# Altium PCB ADC_HUB.PcbDoc (part 2 of 3)
Units mm, origin at the board's own origin, x right, y up, seen from the top; angles counter-clockwise.
Board outline 280 x 83 mm, 4 copper layers (Component Side, Ground Plane, Power Plane, Solder Side), stack 0.844 mm thick; 324 components, 150 nets, 1066 pads, 404 vias.
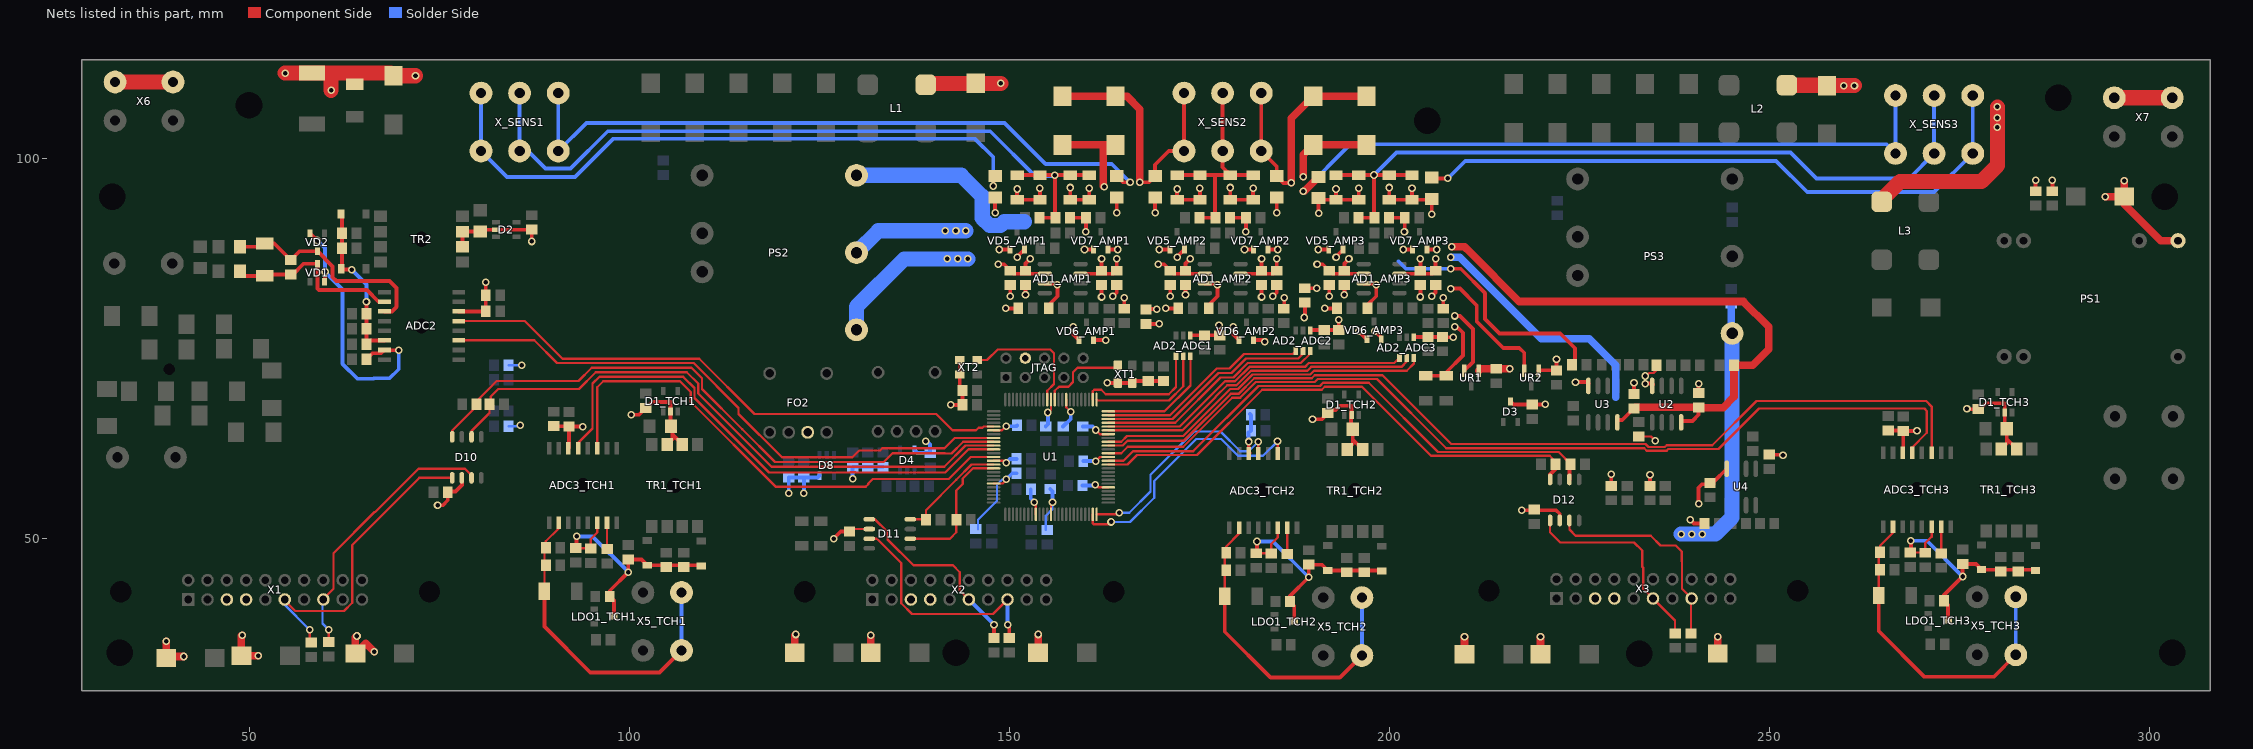
[diagram p4: the nets of this part, all layers, seen from the top]

## Part data
AD1_AMP1 AD1_AMP2 AD1_AMP3: library part AD628
AD2_ADC1 AD2_ADC2 AD2_ADC3: "ADS7886 ADC"
ADC2 ADC3_TCH1 ADC3_TCH2 ADC3_TCH3: library part AMC1304, "Isolated ADC", =AMC1304M25
C1 C2 C19 C21 C31 C47 C48 C49 C50 C51 C52 C53 C55 C56 C57 C58 C59 C61 C62 C63 C64 C65 C108 C109 C110 C112 C113 C114: library part C
C3_TCH1 C3_TCH2 C3_TCH3 C4_TCH1 C4_TCH2 C4_TCH3 C5_TCH1 C5_TCH2 C5_TCH3 C6_TCH1 C6_TCH2 C6_TCH3 C7_TCH1 C7_TCH2 C7_TCH3 C8_TCH1 C8_TCH2 C8_TCH3 C9_TCH1 C9_TCH2 C9_TCH3 C10_TCH1 C10_TCH2 C10_TCH3 C11 C12 C13 C14 C15 C16 C17 C18 C20_TCH1 C20_TCH2 C20_TCH3 C22 C23 C24 C25 C26 C27 C28 C30 C32_TCH1 C32_TCH2 C32_TCH3 C33_TCH1 C33_TCH2 C33_TCH3 C34_TCH1 C34_TCH2 C34_TCH3 C35 C36 C37 C38 C39 C40 C41 C42 C43 C44 C45 C66 C67 C68 C69 C70 C71 C72 C73 C74 C75 C76 C77 C78 C79_TCH1 C79_TCH2 C79_TCH3 C80 C81 C82 C83 C84 C86 C87 C88 C89_ADC1 C89_ADC2 C89_ADC3 C90_ADC1 C90_ADC2 C90_ADC3 C91 C91_AMP1 C91_AMP2 C91_AMP3 C92 C93 C93_AMP1 C93_AMP2 C93_AMP3 C94 C95_AMP1 C95_AMP2 C95_AMP3 C96_AMP1 C96_AMP2 C96_AMP3 C97_AMP1 C97_AMP2 C97_AMP3 C98_AMP1 C98_AMP2 C98_AMP3 C99 C100_AMP1 C100_AMP2 C100_AMP3 C101_AMP1 C101_AMP2 C101_AMP3 C102_AMP1 C102_AMP2 C102_AMP3 C103 C104_AMP1 C104_AMP2 C104_AMP3 C105 C106 C107: library part ChipCapacitor
D1_TCH1 D1_TCH2 D1_TCH3 D2: "Transformer Driver"
D3: "Voltage Supervisor"
D4: "Inverted Schmitt Trigger with EN"
D5: library part "SK32 SHOTTKY"
D6 D7 D9_TCH1 D9_TCH2 D9_TCH3: library part "SMB TVS BiDir"
D8: library part "SN74AHC1G14 (INV SH-TRG)"
D10 D11 D12: "IX4427NTR driver"
FO1: "Fiber Optical Transmitter"
FO2: library part 2531, Rule="Power Plane Connect Style [Style - Relief Connect    Expansion = 15.748mil    Width = 15.748mil    Gap = 15.748mil    # Entries = 4]"
JTAG: "Header, 5-Pin, Dual row", LatestRevisionDate=17-Jul-2002, LatestRevisionNote="Re-released for DXP Platform.", Publisher="Altium Limited", Rule="Power Plane Connect Style [Style - Relief Connect    Expansion = 15.748mil    Width = 15.748mil    Gap = 15.748mil    # Entries = 4]"
L1 L2 L3: library part "Wurth EMI Choke 744272251"
L4_AMP1 L4_AMP2 L4_AMP3: library part SMD_IND_LQM21
LDO1_TCH1 LDO1_TCH2 LDO1_TCH3: library part RS3007, "Voltage Regulator"
PS1: "VRB_ZP-6WR3 Single Power Supply"
PS2: library part URA_LD-20WR3, "URA_LD-20WR3 PS"
PS3: library part VRB_LD-20WR3, "VRB_LD-20WR3 Single Power Supply"
R1 R2 R3 R4 R5 R6 R7 R8 R9 R10 R11 R12 R13 R14 R15 R16 R17 R18 R19 R20 R21 R22 R23 R24 R24_AMP1 R24_AMP2 R24_AMP3 R25 R26_TCH1 R26_TCH2 R26_TCH3 R37 R37_AMP1 R37_AMP2 R37_AMP3 R38 R38_AMP1 R38_AMP2 R38_AMP3 R39 R40 R41 R42 R43 R44 R45 R49 R50 R51 R53_AMP1 R53_AMP2 R53_AMP3 R61_AMP1 R61_AMP2 R61_AMP3 R62_AMP1 R62_AMP2 R62_AMP3 R63_AMP1 R63_AMP2 R63_AMP3 R64_AMP1 R64_AMP2 R64_AMP3 R65_AMP1 R65_AMP2 R65_AMP3: library part ChipResistor
R27 R28 R29 R30 R31 R32 R33 R34 R35 R36: library part "Res MELF MMB0207", "MELF resistor MMB0207"
RD1_TCH1 RD1_TCH2 RD1_TCH3 RD2_TCH1 RD2_TCH2 RD2_TCH3 RD3 RD4: "Rectifier Diode"
TR1_TCH1 TR1_TCH2 TR1_TCH3 TR2: library part DA-2304, "Isolation Transformer"
U1: "MAX II 3.3/2.5V CPLD, 76 IOs, 570 Logic Elements, 100-Pin Plastic TQFP, Industrial Temperature, Speed Grade 5, Pb-Free", Supplier Part Number 1=544-2281-ND, Code_JEDEC=MS-026-AED, ComponentLink1Description="Manufacturer Link", ComponentLink1URL=http://www.altera.com/products/devices/cpld/max2/mx2-index.jsp, ComponentLink2Description=Handbook, ComponentLink2URL=http://www.altera.com/literature/hb/max2/max2_mii5v1.pdf, ComponentLink3Description="Packaging Specification", ComponentLink3URL=http://www.altera.com/literature/ds/dspkg.pdf, DatasheetVersion="ver1.8, Jul-2006", LatestRevisionDate=13-Apr-2006, LatestRevisionNote="IPC-7351 Footprint Added.", Note="Each set of VCCIO pins can be connected to 3.3V, 2.5V, 1.8V, or 1.5V.", PackageDescription="100-Pin Plastic Thin Quad Flat Pack (TQFP100) - Wire Bond", PackageReference=TQFP100, PackageVersion="ver15.1, May-2008", Published=18-Aug-2005, Publisher="Altium Limited", Supplier 1=Digi-Key, Supplier 2=Farnell, Supplier Part Number 2=1549471
U2 U3 U4: "Universal Voltage Monitor", Code_IPC=SOIC127P600-8, Code_JEDEC=MS-012-AA, ComponentLink1Description="Manufacturer Link", ComponentLink1URL=http://www.onsemi.com/site/products/taxonomy/0,4438,503,00.html, ComponentLink2Description=Datasheet, ComponentLink2URL=http://www.onsemi.com/pub/Collateral/MC34161-D.PDF, DatasheetVersion=Apr-2000, LatestRevisionDate=13-Apr-2006, LatestRevisionNote="IPC-7351 Footprint Added.", PackageDescription="8-Pin Small Outline Integrated Circuit 1.27 mm Pitch", PackageReference=751-05, PackageVersion=1998, Published=15-Apr-2002, Publisher="Altium Limited"
UR1 UR2: library part REF30XX, "50ppm/°C Max, 50µA in SOT23-3  CMOS VOLTAGE REFERENCE"
X1 X2 X3: library part IDC-20
X4 X8 X9 X14: library part DG142R-1P
X5_TCH1 X5_TCH2 X5_TCH3 X6 X7: library part DG142R-2P
X_SENS1 X_SENS2 X_SENS3: library part DG142R-3P
XT1 XT2: library part "GEN 0532"

## Free pads (board coordinates)
  round 0 hole 3.5 unplated: 0(32,95) 0(33,35) 0(50,107) 0(143,35) 0(205,105) 0(232.89,34.85) 0(288,108) 0(302,95) 0(303,35)
  round 0 hole 1.5 slot 20 at 0 deg unplated: 2(39.5,72.3)

## Via types
v1: diameter 1, hole 0.6, Component Side to Solder Side, tented both sides, 404 vias

## Nets (pads, with @x,y where several pads share a name; then routed paths per layer and width w, separated by ;. In a path a pad name is that pad's centre, name@x,y a point inside that pad or via, vN(x,y) a via of type N, cw(c..) or ccw(c..) an arc to the next point about the centre after c; other vN are vias at no path point)
3V3: ADC2.14 ADC3_TCH1.14 ADC3_TCH2.14 ADC3_TCH3.14 C3_TCH1.2 C3_TCH2.2 C3_TCH3.2 C9_TCH1.2 C9_TCH2.2 C9_TCH3.2 C11.1 C12.2 C13.1 C14.2 C15.1 C16.2 C17.2 C18.1 C19.1 C22.1 C23.1 C24.2 C25.2 C26.2 C27.1 C28.1 C30.1 C33_TCH1.2 C33_TCH2.2 C33_TCH3.2 C34_TCH1.2 C34_TCH2.2 C34_TCH3.2 C35.2 C39.2 C43.2 C44.2 C77.1 C78.1 C80.1 C81.1 C83.1 C84.1 C88.1 C92.1 D1_TCH1.2 D1_TCH2.2 D1_TCH3.2 D2.2 D3.3 D4.5 D8.5 FO2.3 JTAG.4 PS1.14 R3.2 R4.2 R7.2 R8.2 R9.2 R10.2 R11.2 R12.1 R45.1 TR1_TCH1.2 TR1_TCH1.3 TR1_TCH2.2 TR1_TCH2.3 TR1_TCH3.2 TR1_TCH3.3 TR2.2 TR2.3 U1.9 U1.13 U1.31 U1.39 U1.45 U1.59 U1.63 U1.80 U1.88 U1.94 UR1.1 UR2.1 XT1.1 XT1.4 XT2.1 XT2.4 | length 203
  Component Side w0.3: U1.45@147.95,57.25 149.15,57.25 149.6,57.7 v1(149.6,57.8) ; U1.39@147.95,60.25 149.25,60.25 149.5,60 v1(149.6,60) ; U1.31@147.95,64.25 149.05,64.25 v1(149.6,64.8) ; v1(153.3,54.8) 153.4,54.8 153.5,54.7 U1.59@153.5,53.2 ; v1(155.1,66.6) 155.5,67 U1.13@155.5,68.3 ; U1.63@155.5,53.2 155.5,54.6 v1(155.7,54.8) ; U1.9@157.5,68.3 157.5,67.3 v1(158.1,66.7) ; v1(161.3,57.1) 161.4,57.1 161.75,56.75 U1.80@163.05,56.75 ; v1(161.4,60.2) 161.5,60.3 161.95,60.75 U1.88@163.05,60.75 ; v1(161.4,64.3) 161.95,63.75 U1.94@163.05,63.75 ; R45.1@232.8,63.45 234.45,63.45 v1(235,62.9)
  Component Side w0.5: ADC2.14@77.575,79.9 C44.2@81.15,79.9 C43.2@81.15,82 v1(81.15,83.75) ; TR2.2@78.1,88.4 TR2.3@78.1,90.4 C39.2@80.4,90.4 80.65,90.65 D2.2@82.5,90.65 C35.2@87.2,90.65 v1(87.2,89.1) ; C33_TCH1.2@90.1,64.8 92.05,64.8 C34_TCH1.2@92.1,64.75 ; ADC3_TCH1.14@92.015,61.875 92.1,61.96 C34_TCH1.2@92.1,64.75 ; v1(93.9,64.75) C34_TCH1.2@92.1,64.75 ; v1(100.3,66.3) 101.3,66.3 C3_TCH1.2@102.2,67.2 103,68 105.45,68 D1_TCH1.2@105.45,66.75 105.45,65.3 105.7,65.05 105.7,63.7 ; TR1_TCH1.3@105,62.4 105.7,63.1 105.7,63.7 ; TR1_TCH1.2@107,62.4 105.7,63.7 ; v1(142.3,67.6) C83.1@143.85,67.6 C27.1@143.85,69.5 143.5,69.85 XT2.1@143.5,71.6 XT2.4@143.5,73.5 ; v1(162.9,70.5) XT1.4@164.3,70.5 XT1.1@166.2,70.5 166.45,70.75 C28.1@170.3,70.75 ; v1(181.5,62.78) 181.515,62.765 ADC3_TCH2.14@181.515,61.205 ADC3_TCH2.14@181.6,61.29 ; v1(189.9,65.7) 191.07,65.7 C3_TCH2.2@191.9,66.53 ; C3_TCH2.2@191.7,66.93 192.93,66.93 193.5,67.5 195.05,67.5 D1_TCH2.2@195.05,66.28 ; TR1_TCH2.3@194.5,61.73 195.2,62.43 195.2,63.03 ; D1_TCH2.2@194.95,66.48 194.95,64.63 C9_TCH2.2@195.2,64.38 195.2,63.03 ; TR1_TCH2.2@196.5,61.73 195.2,63.03 ; D3.3@215.954,68.065 216.369,67.65 C23.1@218.8,67.65 220.45,67.65 v1(220.5,67.7) ; UR2.1@219.65,72.1 219.7,72.15 C92.1@222,72.15 v1(222,73.6) ; R11.2@229.2,56.95 v1(229.2,58.5) ; R10.2@234.3,56.95 v1(234.3,58.4) ; R12.1@250,61.05 251.75,61.05 v1(251.8,61) ; C33_TCH3.2@265.625,64.225 267.575,64.225 C34_TCH3.2@267.625,64.175 ; ADC3_TCH3.14@267.54,61.3 267.625,61.385 C34_TCH3.2@267.625,64.175 ; v1(269.425,64.175) C34_TCH3.2@267.625,64.175 ; v1(276,67.1) 276.075,67.025 277.725,67.025 278.525,67.825 280.975,67.825 D1_TCH3.2@280.975,66.575 280.975,64.725 C9_TCH3.2@281.225,64.475 281.225,63.125 ; TR1_TCH3.3@280.525,61.825 281.225,62.525 281.225,63.125 ; TR1_TCH3.2@282.525,61.825 281.225,63.125 ; C22.1@285.025,95.708 v1(285.025,97.175) ; C30.1@287.236,95.708 v1(287.236,97.164) ; C19.1@296.7,94.2 C19.1@296.7,95
  Component Side w1: UR1.1@211.75,72.1 212,72.35 C88.1@214.1,72.35 v1(215.85,72.35) ; v1(294.2,95) C19.1@296.7,95 v1(296.7,97.1) ; C19.1@296.7,94.2 296.7,94 301.5,89.2 PS1.14@303.76,89.2
  Solder Side w0.3: R7.2@84.132,72.806 85.894,72.806 v1(85.9,72.8) ; R3.2@84.15,64.8 85.6,64.8 v1(85.7,64.9) ; R9.2@145.9,51.25 145.9,52.5 148.4,55 148.4,57.1 149.1,57.8 v1(149.6,57.8) ; R8.2@154.8,51.15 154.8,53 155.7,53.9 v1(155.7,54.8)
  Solder Side w0.5: v1(121,56) C78.1@121,58.05 C77.1@123,58.05 ; v1(123,56) C77.1@123,58.05 ; D8.5@125.05,58.3 124.8,58.05 C77.1@123,58.05 ; v1(129.4,57.9) C24.2@129.4,59.45 C25.2@131.4,59.45 R4.2@133.4,59.45 ; D4.5@137.55,61.7 137.958,61.292 C26.2@139.594,61.292 139.594,62.406 139.2,62.8 v1(139,62.8) ; v1(149.6,57.8) 150.4,58.6 C14.2@150.95,58.6 ; v1(149.6,60) 150.1,60.5 C12.2@150.95,60.5 ; v1(149.6,64.8) 150.95,64.8 C80.1@151.05,64.9 ; C15.1@152.85,56.5 152.85,55.25 v1(153.3,54.8) ; C81.1@154.8,64.75 155.1,65.05 v1(155.1,66.6) ; C13.1@155.4,56.55 155.7,56.25 v1(155.7,54.8) ; C18.1@157.1,64.75 158.1,65.75 v1(158.1,66.7) ; C17.2@159.65,57 161.2,57 v1(161.3,57.1) ; C11.1@159.7,64.75 160.95,64.75 v1(161.4,64.3) ; C16.2@159.75,60.2 v1(161.4,60.2) ; v1(181.5,62.78) C33_TCH2.2@181.5,63.98 ; C34_TCH2.2@181.68,66.4 C34_TCH2.2@181.78,66.3 181.83,66.25 C33_TCH2.2@181.83,64.2 C33_TCH2.2@181.78,64.15
5VSEC: ADC2.6 C36.2 C37.2 C38.2 C40.2 C41.2 RD3.1 RD4.1 | length 22.3
  Component Side w0.5: RD3.1@62.1,92.7 62.25,92.55 C38.2@62.25,90.2 C37.2@62.25,88.2 62.25,85.62 RD4.1@62.13,85.5 62.23,85.4 v1(63.5,85.4) ; v1(65.45,81.15) C36.2@65.45,79.6 C41.2@65.45,77.6 C40.2@65.45,76.09 ; ADC2.6@67.825,76.09 65.94,76.09 C40.2@65.695,75.845 ; C40.2@65.45,76.09 C40.2@65.45,75.6 C40.2@65.695,75.845 ; C40.2@65.45,76.09 C40.2@65.695,75.845
  Solder Side w0.5: v1(63.5,85.4) 65.45,83.45 v1(65.45,81.15)
5VSEC_TCH1: ADC3_TCH1.6 C4_TCH1.2 C5_TCH1.2 C6_TCH1.2 C7_TCH1.2 C10_TCH1.2 C20_TCH1.2 LDO1_TCH1.3 RD1_TCH1.1 RD2_TCH1.1 | length 34.8
  Component Side w0.3: C10_TCH1.2@93,48.75 94.937,48.75 C20_TCH1.2@94.969,48.718 94.969,49.969 95.825,50.825 ADC3_TCH1.6@95.825,52.125 ; C6_TCH1.2@99.9,46.8 C6_TCH1.2@99.9,47.25
  Component Side w0.5: C10_TCH1.2@93,48.75 93.1,48.85 v1(93.1,50.3) ; LDO1_TCH1.3@98,39.75 98,41.85 C7_TCH1.2@97.45,42.4 97.45,43.15 v1(99.9,45.6) C6_TCH1.2@99.9,46.8 ; C6_TCH1.2@99.9,47.25 101.65,47.25 RD1_TCH1.1@102.4,46.5 109.4,46.5 RD2_TCH1.1@109.5,46.4
  Solder Side w0.5: v1(93.1,50.3) 95.2,50.3 v1(99.9,45.6)
5VSEC_TCH2: ADC3_TCH2.6 C4_TCH2.2 C5_TCH2.2 C6_TCH2.2 C7_TCH2.2 C10_TCH2.2 C20_TCH2.2 LDO1_TCH2.3 RD1_TCH2.1 RD2_TCH2.1 | length 34.8
  Component Side w0.3: C10_TCH2.2@182.5,48.08 184.437,48.08 C20_TCH2.2@184.469,48.048 184.469,49.299 185.325,50.155 ADC3_TCH2.6@185.325,51.455 ; C6_TCH2.2@189.4,46.13 C6_TCH2.2@189.4,46.58
  Component Side w0.5: C10_TCH2.2@182.5,48.08 182.6,48.18 v1(182.6,49.63) ; LDO1_TCH2.3@187.5,39.08 187.5,41.18 C7_TCH2.2@186.95,41.73 186.95,42.48 v1(189.4,44.93) C6_TCH2.2@189.4,46.13 ; C6_TCH2.2@189.4,46.58 191.15,46.58 RD1_TCH2.1@191.9,45.83 198.9,45.83 RD2_TCH2.1@199,45.73
  Solder Side w0.5: v1(182.6,49.63) 184.7,49.63 v1(189.4,44.93)
5VSEC_TCH3: ADC3_TCH3.6 C4_TCH3.2 C5_TCH3.2 C6_TCH3.2 C7_TCH3.2 C10_TCH3.2 C20_TCH3.2 LDO1_TCH3.3 RD1_TCH3.1 RD2_TCH3.1 | length 34.8
  Component Side w0.3: C10_TCH3.2@268.525,48.175 270.462,48.175 C20_TCH3.2@270.494,48.143 270.494,49.394 271.35,50.25 ADC3_TCH3.6@271.35,51.55 ; C6_TCH3.2@275.425,46.225 C6_TCH3.2@275.425,46.675
  Component Side w0.5: C10_TCH3.2@268.525,48.175 268.625,48.275 v1(268.625,49.725) ; LDO1_TCH3.3@273.525,39.175 273.525,41.275 C7_TCH3.2@272.975,41.825 272.975,42.575 v1(275.425,45.025) C6_TCH3.2@275.425,46.225 ; C6_TCH3.2@275.425,46.675 277.175,46.675 RD1_TCH3.1@277.925,45.925 284.925,45.925 RD2_TCH3.1@285.025,45.825
  Solder Side w0.5: v1(268.625,49.725) 270.725,49.725 v1(275.425,45.025)
20MHz: U1.12 XT1.3 | length 11.6
  Component Side w0.3: U1.12@156,68.3 156,69.45 156.55,70 157.8,70 158.4,70.6 158.4,71.9 159,72.5 164,72.5 XT1.3@164.3,72.8
20MHz_2: U1.14 XT2.3 | length 17.4
  Component Side w0.3: XT2.3@145.8,73.5 147.1,73.5 148.5,74.9 155.4,74.9 155.9,74.4 155.9,70.35 155,69.45 U1.14@155,68.3
24V: C1.1 C2.1 C31.1 D5.K D6.2 L1.1 L2.1 L3.1 X6.1 X7.2 | length 78.7
  Component Side w2: X6.1@32.38,110.08 X6.1@40,110.08 ; v1(54.75,111.25) D5.K@58.3,111.25 60.8,111.25 ; v1(60.8,109) 60.8,111.25 ; v1(71.9,110.9) C31.1@69,110.9 68.65,111.25 60.8,111.25 ; L1.1@139.02,109.72 139.2,109.9 C1.1@145.6,109.9 v1(148.9,109.9) ; L2.1@252.316,109.64 257.56,109.64 C2.1@257.6,109.6 v1(261.2,109.6) ; L3.1@264.78,94.32 264.78,94.58 267.2,97 277.9,97 280,99.1 v1(280,104.1) v1(280,105.4) v1(280,106.8) ; X7.2@295.38,108 X7.2@303,108
  other v1: 259.8,109.6
+15VDR: C57.1 C58.1 C59.1 C68.2 C82.1 C86.1 C87.1 C108.1 C109.1 C110.1 C112.1 C113.1 C114.1 D10.6 D11.6 D12.6 PS3.4 R18.2 R49.1 U4.8 X1.5 X1.7 X2.5 X2.7 X3.5 X3.7 | length 90.8
  Component Side w0.3: C86.1@129,50.95 129.32,51.27 D11.6@131.6,51.27
  Component Side w0.5: v1(74.8,54.4) 75.5,54.4 76.15,55.05 C82.1@76.15,56.1 ; C82.1@76.7,56.2 77.15,56.2 78,57.05 D10.6@78,58 ; v1(126.9,50) 127.85,50.95 C86.1@129,50.95 ; v1(217.45,53.75) 221.95,53.75 222.43,53.27 D12.6@222.43,52.4 ; v1(239.6,52.5) 240.1,52 R49.1@241.45,52 ; v1(240.7,54.6) 240.7,56.7 241.15,57.15 242.7,57.15 242.7,57.505 U4.8@244.395,59.2
  Component Side w1: v1(39.1,36.5) C114.1@39.1,34.3 39.3,34.5 v1(41.4,34.5) ; v1(49.1,37.3) 49,37.2 C112.1@49,34.6 v1(51.2,34.6) ; v1(64.2,37.2) 64,37 C113.1@64,34.9 65.35,36.25 v1(66.5,35.1) ; C108.1@121.8,35 121.8,37.3 v1(121.9,37.4) ; C109.1@131.8,35 v1(131.8,37.3) ; C110.1@153.8,35 v1(153.8,37.4) ; C57.1@209.9,34.8 v1(209.9,37.1) ; C58.1@219.9,34.8 v1(219.9,37.1) ; C59.1@243.2,34.9 v1(243.2,37.1)
  Solder Side w1: R18.2@245,80.95 245,77.1 PS3.4@245.1,77
  Solder Side w2: v1(238.4,50.6) v1(239.8,50.6) v1(241.2,50.6) 242.9,50.6 245.1,52.8 PS3.4@245.1,77
+Vinp: ADC2.2 C45.1 D7.2 R15.2 VD1.3 | length 24
  Component Side w0.5: R15.2@48.8,85.2 49.435,84.565 D7.2@52.1,84.565 52.285,84.75 C45.1@55.5,84.75 55.5,84.775 55.775,84.775 57.175,86.175 VD1.3@59,86.175 59,82.9 59.2,82.7 65.5,82.7 67.03,81.17 ADC2.2@67.825,81.17
+Vinp_TCH1: ADC3_TCH1.2 C79_TCH1.2 D9_TCH1.2 R26_TCH1.1 X5_TCH1.2 | length 43.8
  Component Side w0.3: D9_TCH1.2@88.865,43.1 88.865,48.615 C79_TCH1.2@89.05,48.8 89.05,49.65 90.745,51.345 ADC3_TCH1.2@90.745,52.125
  Component Side w0.5: D9_TCH1.2@88.865,43.1 88.865,38.435 94.9,32.4 104,32.4 X5_TCH1.2@106.9,35.3
  Solder Side w0.5: X5_TCH1.2@106.9,35.3 X5_TCH1.2@106.9,42.92
+Vinp_TCH2: ADC3_TCH2.2 C79_TCH2.2 D9_TCH2.2 R26_TCH2.1 X5_TCH2.2 | length 43.8
  Component Side w0.3: D9_TCH2.2@178.365,42.43 178.365,47.945 C79_TCH2.2@178.55,48.13 178.55,48.98 180.245,50.675 ADC3_TCH2.2@180.245,51.455
  Component Side w0.5: D9_TCH2.2@178.365,42.43 178.365,37.765 184.4,31.73 193.5,31.73 X5_TCH2.2@196.4,34.63
  Solder Side w0.5: X5_TCH2.2@196.4,34.63 X5_TCH2.2@196.4,42.25
+Vinp_TCH3: ADC3_TCH3.2 C79_TCH3.2 D9_TCH3.2 R26_TCH3.1 X5_TCH3.2 | length 43.8
  Component Side w0.3: D9_TCH3.2@264.39,42.525 264.39,48.04 C79_TCH3.2@264.575,48.225 264.575,49.075 266.27,50.77 ADC3_TCH3.2@266.27,51.55
  Component Side w0.5: D9_TCH3.2@264.39,42.525 264.39,37.86 270.425,31.825 279.525,31.825 X5_TCH3.2@282.425,34.725
  Solder Side w0.5: X5_TCH3.2@282.425,34.725 X5_TCH3.2@282.425,42.345
+VS: AD1_AMP1.7 AD1_AMP2.7 AD1_AMP3.7 C47.1 C48.1 C66.2 C67.2 C91_AMP1.2 C91_AMP2.2 C91_AMP3.2 C95_AMP1.2 C95_AMP2.2 C95_AMP3.2 C97_AMP1.2 C97_AMP2.2 C97_AMP3.2 PS2.3 R39.1 U2.8 U3.8 VD5_AMP1.2 VD5_AMP2.2 VD5_AMP3.2 VD7_AMP1.2 VD7_AMP2.2 VD7_AMP3.2 X_SENS1.1 X_SENS2.1 X_SENS3.1 | length 338.3
  Component Side w0.5: v1(151.05,87) 151.05,87.097 VD5_AMP1.2@151.994,88.041 ; AD1_AMP1.7@159.394,84.851 163.751,84.851 C97_AMP1.2@164.15,85.25 v1(164.15,86.8) ; C95_AMP1.2@162.15,85.25 v1(162.15,86.8) ; VD7_AMP1.2@162.994,88.041 v1(164.291,88.041) ; C91_AMP1.2@164.15,97.7 164.95,96.9 v1(165.899,96.9) ; v1(172.1,87) 172.1,87.097 VD5_AMP2.2@173.044,88.041 ; AD1_AMP2.7@180.444,84.851 184.801,84.851 C97_AMP2.2@185.2,85.25 v1(185.2,86.8) ; X_SENS2.1@183.16,108.62 X_SENS2.1@183.16,101 185.2,98.96 C91_AMP2.2@185.2,97.7 186.1,96.8 v1(187.1,96.8) ; C95_AMP2.2@183.2,85.25 v1(183.2,86.8) ; VD7_AMP2.2@184.044,88.041 v1(185.341,88.041) ; v1(193,87) 193,87.097 VD5_AMP3.2@193.944,88.041 ; AD1_AMP3.7@201.344,84.851 205.701,84.851 C97_AMP3.2@206.1,85.25 v1(206.1,86.8) ; C95_AMP3.2@204.1,85.25 v1(204.1,86.8) ; VD7_AMP3.2@204.944,88.041 v1(206.241,88.041) ; C91_AMP3.2@205.6,97.5 205.7,97.4 v1(207.7,97.4) ; U3.8@230.005,65.6 230.65,65.6 C66.2@232.2,67.15 ; U2.8@238.555,65.55 238.505,65.5 239.9,65.5 240.7,66.3 C67.2@240.7,67.25
  Component Side w1: v1(187.1,96.8) 187.1,105.3 C48.1@190,108.2 C47.1@197,108.2 ; v1(208.2,88.4) 209.9,88.4 210.7,87.6 217.1,81.2 246.6,81.2 249.9,77.9 249.9,74.9 247.8,72.8 R39.1@245.35,72.8 245.35,68.65 243.95,67.25 C67.2@240.7,67.25 240.7,67.3 232.35,67.3 C66.2@232.2,67.15
  Solder Side w0.5: X_SENS1.1@90.68,108.62 X_SENS1.1@90.68,101 94.38,104.7 149.4,104.7 154.8,99.3 163.5,99.3 164.2,98.6 v1(165.899,96.9) ; v1(207.7,97.4) 210,99.7 250.9,99.7 255,95.6 271.68,95.6 X_SENS3.1@276.76,100.68 X_SENS3.1@276.76,108.3
  Solder Side w2: PS2.3@129.92,77.48 129.92,80.52 136.2,86.8 v1@144.6,86.8
  other v1: 141.85,86.8 143.25,86.8 144.55,86.8
-Vinp: ADC2.3 C45.2 D7.1 R17.2 VD2.3 | length 29.3
  Component Side w0.5: R17.2@48.8,88.4 51.665,88.4 D7.1@52.1,88.835 53.315,88.835 C45.2@55.5,86.65 56.675,87.825 VD2.3@59,87.825 61,85.825 61,84.4 61.5,83.9 68.5,83.9 69.4,83 69.4,80.5 68.8,79.9 ADC2.3@67.825,79.9
-VS: AD1_AMP1.2 AD1_AMP2.2 AD1_AMP3.2 C55.2 C56.2 C93_AMP1.1 C93_AMP2.1 C93_AMP3.1 C96_AMP1.1 C96_AMP2.1 C96_AMP3.1 C98_AMP1.1 C98_AMP2.1 C98_AMP3.1 PS2.5 R44.2 VD5_AMP1.1 VD5_AMP2.1 VD5_AMP3.1 VD7_AMP1.1 VD7_AMP2.1 VD7_AMP3.1 X_SENS1.3 X_SENS2.3 X_SENS3.3 | length 304.5
  Component Side w0.5: v1(147.9,96.4) 147.9,97.45 C93_AMP1.1@148.15,97.7 ; v1(148.55,86.1) 149.3,86.1 C98_AMP1.1@150.15,85.25 150.549,84.851 AD1_AMP1.2@154.694,84.851 ; v1(148.709,88.041) VD5_AMP1.1@150.094,88.041 ; C96_AMP1.1@152.15,85.25 152.15,86.2 v1(152.75,86.8) ; v1(159.909,88.041) VD7_AMP1.1@161.094,88.041 ; v1(167.2,96.9) 168.4,96.9 C93_AMP2.1@169.2,97.7 169.2,99.2 171,101 X_SENS2.3@173,101 X_SENS2.3@173,108.62 ; v1(169.6,86.1) 170.35,86.1 C98_AMP2.1@171.2,85.25 171.599,84.851 AD1_AMP2.2@175.744,84.851 ; v1(169.759,88.041) VD5_AMP2.1@171.144,88.041 ; C96_AMP2.1@173.2,85.25 173.2,86.2 v1(173.8,86.8) ; v1(180.959,88.041) VD7_AMP2.1@182.144,88.041 ; v1(190.5,86.1) 191.25,86.1 C98_AMP3.1@192.1,85.25 192.499,84.851 AD1_AMP3.2@196.644,84.851 ; v1(190.659,88.041) VD5_AMP3.1@192.044,88.041 ; C96_AMP3.1@194.1,85.25 194.1,86.2 v1(194.7,86.8) ; v1(201.859,88.041) VD7_AMP3.1@203.044,88.041 ; v1(208.1,85.5) 209.4,85.5 212.6,82.3 212.6,78.9 214.5,77 222.5,77 224.45,75.05 R44.2@224.45,72.9
  Component Side w1: C56.2@157,108.2 C55.2@164,108.2 165.5,108.2 167.2,106.5 v1(167.2,96.9) ; v1(188.7,95.7) 188.8,95.7 C93_AMP3.1@190.7,97.6
  Solder Side w0.5: X_SENS1.3@80.52,108.62 X_SENS1.3@80.52,101 83.92,97.6 92.9,97.6 97.9,102.6 145.5,102.6 147.9,100.2 v1(147.9,96.4) ; v1(188.7,95.7) 194.9,101.9 265.38,101.9 X_SENS3.3@266.6,100.68 X_SENS3.3@266.6,108.3 ; 201.2,86.5 202.2,85.5 v1(208.1,85.5)
  Solder Side w2: PS2.5@129.92,97.8 143.7,97.8 146.45,95.05 146.45,92.196 147.446,91.2 148.854,91.2 149.354,91.7 152,91.7
ADC_CLOCK1: AD2_ADC1.4 U1.2 | length 16.8
  Component Side w0.3: U1.2@161,68.3 161,69.4 161.2,69.6 162.1,69.6 162.7,69 171,69 171.95,69.95 AD2_ADC1.4@171.95,74
ADC_CLOCK2: AD2_ADC2.4 U1.99 | length 28.2
  Component Side w0.3: U1.99@163.05,66.25 171.15,66.25 177.3,72.4 179,72.4 180.9,74.3 187.3,74.3 AD2_ADC2.4@187.7,74.7
ADC_CLOCK3: AD2_ADC3.4 U1.96 | length 42
  Component Side w0.3: U1.96@163.05,64.75 172.45,64.75 178.4,70.7 179.704,70.7 181.604,72.6 188.9,72.6 189.4,73.1 200.65,73.1 AD2_ADC3.4@201.35,73.8
ADC_DATA1: AD2_ADC1.5 U1.1 | length 16.2
  Component Side w0.3: U1.1@161.5,68.3 161.624,68.176 171.024,68.176 172.9,70.051 AD2_ADC1.5@172.9,74
ADC_DATA1_ADC2: AD2_ADC2.5 U1.98 | length 29.5
  Component Side w0.3: U1.98@163.05,65.75 171.499,65.75 177.549,71.8 179.249,71.8 181.149,73.7 188.02,73.7 188.65,74.33 AD2_ADC2.5@188.65,74.7
ADC_DATA1_ADC3: AD2_ADC3.5 U1.95 | length 43.5
  Component Side w0.3: U1.95@163.05,64.25 172.799,64.25 177.15,68.601 177.15,68.673 178.677,70.2 179.911,70.2 181.811,72.1 189.249,72.1 189.749,72.6 201.6,72.6 202.3,73.3 AD2_ADC3.5@202.3,73.8
ADC_NCS1: AD2_ADC1.6 U1.100 | length 16.1
  Component Side w0.3: U1.100@163.05,66.75 170.447,66.75 173.85,70.153 AD2_ADC1.6@173.85,74
ADC_NCS2: AD2_ADC2.6 U1.97 | length 30.7
  Component Side w0.3: U1.97@163.05,65.25 171.847,65.25 177.797,71.2 179.497,71.2 181.397,73.1 188.37,73.1 189.6,74.33 AD2_ADC2.6@189.6,74.7
ADC_NCS3: AD2_ADC3.6 U1.92 | length 45.2
  Component Side w0.3: U1.92@163.05,62.75 164.25,62.75 164.75,62.75 165.5,63.5 172.897,63.5 179.097,69.7 180.118,69.7 182.018,71.6 189.597,71.6 190.097,72.1 202.3,72.1 203.25,73.05 AD2_ADC3.6@203.25,73.8
ADCREF: AD1_AMP1.3 AD1_AMP2.3 AD1_AMP3.3 C93.1 R38_AMP1.2 R38_AMP2.2 R38_AMP3.2 UR2.2 | length 34.2
  Component Side w0.5: AD1_AMP1.3@154.694,83.581 156.169,83.581 v1(156.35,83.4) 156.35,81.9 155.2,80.75 R38_AMP1.2@155.2,80.3 ; AD1_AMP2.3@175.744,83.581 177.219,83.581 v1(177.4,83.4) 177.4,81.9 176.25,80.75 R38_AMP2.2@176.25,80.3 ; C93.1@188.9,82.95 v1(190.45,82.95) ; AD1_AMP3.3@196.644,83.581 198.119,83.581 v1(198.3,83.4) 198.3,81.9 197.15,80.75 R38_AMP3.2@197.15,80.3 ; v1(208.1,82.9) 209.3,82.9 211.5,80.7 211.5,78.6 215,75.1 217.1,75.1 217.75,74.45 UR2.2@217.75,72.1
AGND: C47.2 C48.2 C55.1 C56.1 C66.1 C67.1 C91.2 C91_AMP1.1 C91_AMP2.1 C91_AMP3.1 C93.2 C93_AMP1.2 C93_AMP2.2 C93_AMP3.2 C95_AMP1.1 C95_AMP2.1 C95_AMP3.1 C96_AMP1.2 C96_AMP2.2 C96_AMP3.2 C97_AMP1.1 C97_AMP2.1 C97_AMP3.1 C98_AMP1.2 C98_AMP2.2 C98_AMP3.2 C101_AMP1.1 C101_AMP2.1 C101_AMP3.1 C102_AMP1.1 C102_AMP2.1 C102_AMP3.1 C104_AMP1.1 C104_AMP2.1 C104_AMP3.1 PS2.4 R1.2 R5.2 R37_AMP1.2 R37_AMP2.2 R37_AMP3.2 R41.2 R53_AMP1.2 R53_AMP2.2 R53_AMP3.2 R61_AMP1.2 R61_AMP2.2 R61_AMP3.2 R62_AMP1.2 R62_AMP2.2 R62_AMP3.2 R63_AMP1.2 R63_AMP2.2 R63_AMP3.2 U2.4 U3.4 VD6_AMP1.1 VD6_AMP2.1 VD6_AMP3.1 | length 195.4
  Component Side w0.3: v1(233.7,71.4) 233.6,71.5 233.9,71.5 234.2,71.8 234.75,71.8 235.15,72.2 R41.2@235.15,72.8
  Component Side w0.5: C93_AMP1.2@147.841,94.591 C93_AMP1.2@148.15,94.9 v1(148.15,92.9) ; v1(149.55,80.3) C104_AMP1.1@151.2,80.3 ; v1(150.15,81.9) C98_AMP1.2@150.15,83.35 ; v1(151.044,96.006) R53_AMP1.2@151.044,94.591 R61_AMP1.2@154.044,94.591 v1(154.044,96.094) ; v1(152.15,82.1) C96_AMP1.2@152.15,83.35 ; C101_AMP1.1@157.994,92.216 R37_AMP1.2@160.094,92.216 160.094,90.444 v1(160.05,90.4) ; v1(158.044,96.194) R62_AMP1.2@158.044,94.591 R63_AMP1.2@160.544,94.591 ; v1(158.45,77.9) 158.45,76.875 VD6_AMP1.1@159.2,76.125 ; v1(160.544,96.094) R63_AMP1.2@160.544,94.591 ; R63_AMP1.2@161.044,94.591 R63_AMP1.2@160.544,94.591 ; v1(162.15,81.8) C95_AMP1.1@162.15,83.35 ; v1@162.4,96.4 v1(162.5,96.3) ; 162.4,101.5 162.7,101.8 ; v1(163.65,81.9) 164.15,82.4 C97_AMP1.1@164.15,83.35 ; v1(164.15,92.9) C91_AMP1.1@164.15,94.9 C91_AMP1.1@164.459,94.591 ; C102_AMP1.1@165.15,80.25 v1(165.15,81.7) ; C91.2@168,78.25 v1(169.75,78.25) ; C93_AMP2.2@168.891,94.591 C93_AMP2.2@169.2,94.9 v1(169.2,92.9) ; v1(170.6,80.3) C104_AMP2.1@172.25,80.3 ; v1(171.2,81.9) C98_AMP2.2@171.2,83.35 ; v1(172.094,96.006) R53_AMP2.2@172.094,94.591 R61_AMP2.2@175.094,94.591 v1(175.094,96.094) ; v1(173.2,82.1) C96_AMP2.2@173.2,83.35 ; C101_AMP2.1@179.044,92.216 R37_AMP2.2@181.144,92.216 181.144,90.444 v1(181.1,90.4) ; v1(179.094,96.194) R62_AMP2.2@179.094,94.591 R63_AMP2.2@182.094,94.591 v1(182.094,96.094) ; v1(179.5,77.9) 179.5,76.875 VD6_AMP2.1@180.25,76.125 ; v1(183.2,81.8) C95_AMP2.1@183.2,83.35 ; v1(184.7,81.9) 185.2,82.4 C97_AMP2.1@185.2,83.35 ; v1(185.2,92.9) C91_AMP2.1@185.2,94.9 C91_AMP2.1@185.509,94.591 ; C102_AMP2.1@186.2,80.25 v1(186.2,81.7) ; v1(188.8,79.1) 188.9,79.2 C93.2@188.9,81.05 ; C93_AMP3.2@190.391,94.491 C93_AMP3.2@190.7,94.8 ; v1(190.7,92.8) C93_AMP3.2@190.7,94.8 ; v1(191.5,80.3) C104_AMP3.1@193.15,80.3 ; v1(192.1,81.9) C98_AMP3.2@192.1,83.35 ; v1(192.994,96.006) R53_AMP3.2@192.994,94.591 ; v1(194.1,82.1) C96_AMP3.2@194.1,83.35 ; v1(195.994,96.094) R61_AMP3.2@195.994,94.591 R53_AMP3.2@192.994,94.591 ; v1(196,77.3) 196,77.275 VD6_AMP3.1@197.05,76.225 ; C101_AMP3.1@199.944,92.216 R37_AMP3.2@202.044,92.216 202.044,90.444 v1(202,90.4) ; v1(199.994,96.194) R62_AMP3.2@199.994,94.591 R63_AMP3.2@202.994,94.591 ; v1(202.994,96.094) R63_AMP3.2@202.994,94.591 ; v1(204.1,81.8) C95_AMP3.1@204.1,83.35 ; R5.2@204.8,71.425 R1.2@207.5,71.425 207.5,71.9 209.7,74.1 209.7,77.1 209,77.8 208.5,77.8 v1(208.6,77.9) ; v1(205.6,81.9) 206.1,82.4 C97_AMP3.1@206.1,83.35 ; v1(205.6,92.7) C91_AMP3.1@205.6,94.591 ; C91_AMP3.1@205.791,94.591 C91_AMP3.1@205.709,94.591 ; C91_AMP3.1@205.909,94.391 C91_AMP3.1@205.709,94.591 ; C102_AMP3.1@207.1,80.25 v1(207.1,81.7) ; v1(224.5,70.6) 225.995,70.6 U3.4@226.195,70.4 ; C66.1@232.2,69.05 v1(232.2,70.5) ; v1(233.7,70.4) 234.395,70.4 234.495,70.5 U2.4@234.695,70.3 ; C67.1@240.7,69.15 v1(240.7,70.4) ; C93_AMP3.2@190.7,94.8 190.909,94.591 R53_AMP3.2@192.994,94.591 ; R63_AMP3.2@202.994,94.591 C91_AMP3.1@205.6,94.591 ; C91_AMP3.1@205.6,94.591 C91_AMP3.1@205.6,94.7 C91_AMP3.1@205.709,94.591 ; C91_AMP3.1@205.6,94.591 C91_AMP3.1@205.709,94.591
  Component Side w1: C56.1@157,101.8 162.7,101.8 C55.1@164,101.8 ; v1@162.4,96.4 162.4,101.5 ; v1(188.7,97.6) 188.7,100.5 C48.2@190,101.8 C47.2@197,101.8
  Solder Side w0.5: v1(162.5,96.3) v1@162.5,96.7
  Solder Side w1: v1(208.1,87) 209.3,87 220,76.3 226.3,76.3 229.8,72.8 229.8,68.6
  Solder Side w2: PS2.4@129.92,87.64 132.78,90.5 v1(141.6,90.5) v1(143,90.5) v1(144.3,90.5)
AMC_CLK: ADC2.13 U1.30 | length 76.5
  Component Side w0.3: ADC2.13@77.575,78.63 86.27,78.63 91.238,73.662 109.238,73.662 116.5,66.4 140.4,66.4 142.55,64.25 145.65,64.25 146,64.6 146.5,64.6 146.65,64.75 U1.30@147.95,64.75
AMC_CLK1: ADC3_TCH1.13 U1.36 | length 69.7
  Component Side w0.3: ADC3_TCH1.13@93.285,61.875 93.285,62.585 95.2,64.5 95.2,70.4 96.1,71.3 107.107,71.3 108.6,69.807 108.6,68.5 118.4,58.7 128.998,58.7 129.048,58.75 129.752,58.75 129.802,58.7 141.6,58.7 144.65,61.75 U1.36@147.95,61.75
AMC_CLK2: ADC3_TCH2.13 U1.75 | length 30.2
  Component Side w0.3: U1.75@161.5,53.2 164.3,53.2 v1(164.5,53.4) ; v1(182.78,62.76) 182.785,62.755 ADC3_TCH2.13@182.785,61.205
  Solder Side w0.3: v1(164.5,53.4) 165.8,53.4 168.6,56.2 168.6,58.4 174.3,64.1 177.8,64.1 180.4,61.5 181.52,61.5 v1(182.78,62.76)
AMC_CLK3: ADC3_TCH3.13 U1.89 | length 124.4
  Component Side w0.3: U1.89@163.05,61.25 164.75,61.25 165.6,62.1 172.911,62.1 179.361,68.55 180.383,68.55 182.433,70.6 190.2,70.6 190.6,71 198.4,71 207.5,61.9 233.538,61.9 233.888,61.55 236.457,61.55 236.707,61.8 243.3,61.8 248.625,67.125 270.4,67.125 270.725,66.8 270.725,63.925 268.81,62.01 ADC3_TCH3.13@268.81,61.3
AMC_DATA: ADC2.11 U1.33 | length 78.3
  Component Side w0.3: ADC2.11@77.575,76.09 87.51,76.09 90.5,73.1 108.5,73.1 114.404,67.196 114.404,66.399 120.103,60.7 129.393,60.7 130.293,61.6 133,61.6 133.3,61.9 141.5,61.9 142.85,63.25 U1.33@147.95,63.25
AMC_DATA1: ADC3_TCH1.11 U1.38 | length 68.7
  Component Side w0.3: ADC3_TCH1.11@95.825,61.875 95.825,69.925 96.6,70.7 106.7,70.7 108.1,69.3 108.1,68 119.25,56.85 131.148,56.85 131.45,57.152 131.45,57.252 132.048,57.85 142.05,57.85 144.95,60.75 U1.38@147.95,60.75
AMC_DATA2: ADC3_TCH2.11 U1.74 | length 34.8
  Component Side w0.3: U1.74@161,53.2 161,52 161.1,51.9 163.1,51.9 v1(163.4,52.2) ; v1(185.3,62.8) 185.325,62.775 ADC3_TCH2.11@185.325,61.205
  Solder Side w0.3: v1(163.4,52.2) 165.9,52.2 169.1,55.4 169.1,57.6 174.6,63.1 177.9,63.1 180.1,60.9 183.4,60.9 v1(185.3,62.8)
AMC_DATA3: ADC3_TCH3.11 U1.91 | length 124.9
  Component Side w0.3: U1.91@163.05,62.25 164.957,62.25 165.607,62.9 173.004,62.9 179.154,69.05 180.175,69.05 182.225,71.1 189.804,71.1 190.204,71.5 199.1,71.5 208.15,62.45 233.695,62.45 234.095,62.05 236.25,62.05 236.5,62.3 242.5,62.3 248.3,68.1 270.65,68.1 271.35,67.4 ADC3_TCH3.11@271.35,61.3
AVDD: AD2_ADC1.1 AD2_ADC2.1 AD2_ADC3.1 C89_ADC1.1 C89_ADC2.1 C89_ADC3.1 C90_ADC1.1 C90_ADC2.1 C90_ADC3.1 C91.1 UR1.2 VD6_AMP1.2 VD6_AMP2.2 VD6_AMP3.2 | length 31.3
  Component Side w0.5: VD6_AMP1.2@161.1,76.125 v1(162.725,76.125) ; C91.1@168,80.15 168.05,80.2 v1(169.4,80.2) ; AD2_ADC1.1@173.85,76.7 173.9,76.75 C89_ADC1.1@175.7,76.75 177.6,76.75 v1(177.6,78.1) ; VD6_AMP2.2@182.15,76.125 v1@183.775,76.125 ; AD2_ADC2.1@189.6,77.4 189.65,77.45 C89_ADC2.1@191.45,77.45 C90_ADC2.1@193.35,77.45 v1(193.35,78.8) ; v1(198.1,77.3) 198.95,76.45 VD6_AMP3.2@198.95,76.225 ; AD2_ADC3.1@203.25,76.5 203.3,76.55 C89_ADC3.1@205.1,76.55 C90_ADC3.1@207,76.55 C90_ADC3.1@207.05,76.5 ; C90_ADC3.1@206.45,76.5 C90_ADC3.1@207.05,76.5 ; v1(208.4,76.5) C90_ADC3.1@207.05,76.5 ; v1(208.6,79.3) 209.3,79.3 211,77.6 211,73.25 UR1.2@209.85,72.1
  Solder Side w0.5: v1(169.4,80.2) v1@169.5,80.2
  other v1: 183.625,75.925
AVDD_CAP_TCH1: ADC3_TCH1.7 C32_TCH1.2 | length 3.5
  Component Side w0.3: ADC3_TCH1.7@97.095,52.125 97.1,52.12 C32_TCH1.2@97.1,48.65
AVDD_CAP_TCH2: ADC3_TCH2.7 C32_TCH2.2 | length 3.5
  Component Side w0.3: ADC3_TCH2.7@186.595,51.455 186.6,51.45 C32_TCH2.2@186.6,47.98
AVDD_CAP_TCH3: ADC3_TCH3.7 C32_TCH3.2 | length 3.5
  Component Side w0.3: ADC3_TCH3.7@272.62,51.55 272.625,51.545 C32_TCH3.2@272.625,48.075
AVDD_INT: ADC2.7 C42.2 VD1.2 VD2.2 | length 36.2
  Component Side w0.5: VD2.2@58.05,90.175 v1(59,89.225) ; VD1.2@59.95,83.825 60,83.875 v1(60,85.1) ; C42.2@65.45,73.6 66.25,74.4 67.405,74.4 ADC2.7@67.825,74.82 67.845,74.8 v1(69.7,74.8)
  Solder Side w0.5: v1(59,89.225) 60,88.225 v1(60,85.1) 62.3,82.8 62.3,73 64.25,71.05 66.394,71.05 66.444,71.1 68.5,71.1 69.7,72.3 v1(69.7,74.8)
CTRL_BOT1: D10.4 R23.1 U1.34 | length 83
  Component Side w0.3: D10.4@76.73,63.4 76.73,64.23 79.95,67.45 R23.1@79.95,67.7 79.95,68.1 82.6,70.75 93.35,70.75 95.1,72.5 108.2,72.5 109.6,71.1 109.6,69.7 114.9,64.4 119.2,60.1 133.5,60.1 134.65,61.25 141.552,61.25 141.602,61.2 142.4,61.2 143.95,62.75 U1.34@147.95,62.75
CTRL_BOT1_EXT: C99.2 D10.5 X1.11 | length 41.6
  Component Side w0.3: X1.11@54.59,41.98 56.07,40.5 62.5,40.5 63.575,41.575 63.575,49.175 72.4,58 D10.5@76.73,58 ; v1(58,38) 58,36.55 C99.2@58.2,36.35
  Solder Side w0.3: X1.11@54.59,41.98 54.59,41.41 v1(58,38)
CTRL_BOT2: D11.4 R25.1 U1.40 | length 14.7
  Component Side w0.3: D11.4@137,52.54 139.01,52.54 R25.1@139.05,52.5 139.05,53.75 143.05,57.75 143.05,57.759 145.041,59.75 U1.40@147.95,59.75
CTRL_BOT2_EXT: C105.2 D11.5 X2.11 | length 25.9
  Component Side w0.3: D11.5@131.6,52.54 132.36,52.54 134,50.9 134,49.9 137.4,46.5 142.6,46.5 143.5,45.6 143.5,43.2 X2.11@144.7,42
  Component Side w0.5: C105.2@148,36.95 v1(148,38.7)
  Solder Side w0.5: X2.11@144.7,42 v1(148,38.7)
CTRL_BOT3: D12.4 R38.1 U1.86 | length 69.8
  Component Side w0.3: U1.86@163.05,59.75 165.55,59.75 166.8,61 174.7,61 183.3,69.6 191.107,69.6 191.507,70 196.4,70 205.5,60.9 221.1,60.9 221.85,60.15 R38.1@221.85,59.8
  Component Side w0.5: D12.4@221.16,57.8 221.16,58.46 221.85,59.15 R38.1@221.85,59.8
CTRL_BOT3_EXT: C107.2 D12.5 X3.11 | length 27.3
  Component Side w0.3: D12.5@221.16,52.4 221.16,50.84 222.5,49.5 232.2,49.5 233.3,48.4 233.3,46.29 233.4,46.19 233.4,43.43 X3.11@234.7,42.13 237.6,39.23 C107.2@237.6,37.55
CTRL_TOP1: D10.2 R22.1 U1.35 | length 81
  Component Side w0.3: D10.2@79.27,63.4 79.27,64.17 81.65,66.55 R22.1@81.65,67.7 81.8,67.7 81.8,68.7 82.8,69.7 93.4,69.7 95.6,71.9 107.6,71.9 109.1,70.4 109.1,69.1 118.75,59.45 141.452,59.45 144.252,62.25 U1.35@147.95,62.25
CTRL_TOP1_EXT: C94.2 D10.7 X1.15 | length 36.1
  Component Side w0.3: X1.15@59.67,41.98 61.1,43.41 61.1,48.092 66.508,53.5 66.6,53.5 72.3,59.2 78.4,59.2 79.27,58.33 D10.7@79.27,58 ; C94.2@60.5,36.4 v1(60.5,38)
  Solder Side w0.3: X1.15@59.67,41.98 59.67,38.83 v1(60.5,38)
CTRL_TOP2: D11.2 R24.1 U1.41 | length 18.4
  Component Side w0.3: D11.2@137,50 142.2,50 143.05,50.85 R24.1@143.05,52.5 143.05,56.35 143.9,57.2 143.9,57.902 145.248,59.25 U1.41@147.95,59.25
CTRL_TOP2_EXT: C103.2 D11.7 X2.15 | length 31.3
  Component Side w0.3: D11.7@131.6,50 132.6,50 135.8,46.8 135.8,41.5 137.2,40.1 147.88,40.1 X2.15@149.78,42
  Component Side w0.5: v1(149.8,38.7) 150,38.5 C103.2@150,36.95
  Solder Side w0.5: X2.15@149.78,42 149.78,38.72 v1(149.8,38.7)
CTRL_TOP3: D12.2 R37.1 U1.87 | length 71.6
  Component Side w0.3: U1.87@163.05,60.25 165.05,60.25 166.3,61.5 174.2,61.5 182.8,70.1 190.9,70.1 191.3,70.5 197.3,70.5 206.4,61.4 222.286,61.4 223.85,59.836 R37.1@223.85,59.8
  Component Side w0.5: D12.2@223.7,57.8 223.7,59.65 R37.1@223.85,59.8
CTRL_TOP3_EXT: C106.2 D12.7 X3.15 | length 28.5
  Component Side w0.3: D12.7@223.7,52.4 223.7,51.2 224.5,50.4 234.4,50.4 235.7,49.1 237.7,49.1 238.495,48.305 238.495,47.048 238.5,47.043 238.5,43.41 X3.15@239.78,42.13 239.7,42.05 C106.2@239.7,37.55
CURRENT_SENSOR1: C101_AMP1.2 R24_AMP1.2 R53_AMP1.1 R61_AMP1.1 R62_AMP1.1 R63_AMP1.1 X_SENS1.2 | length 101.2
  Component Side w0.5: R53_AMP1.1@151.044,97.841 R61_AMP1.1@154.044,97.841 v1@156.044,97.841 ; R24_AMP1.2@153.994,92.216 C101_AMP1.2@156.094,92.216 156.044,92.266 v1@156.044,97.841 ; R63_AMP1.1@161.044,97.841 R63_AMP1.1@160.544,97.841 R62_AMP1.1@158.044,97.841 v1@156.044,97.841
  Solder Side w0.5: X_SENS1.2@85.6,108.62 X_SENS1.2@85.6,101 86.7,101 89,98.7 92.3,98.7 97.2,103.6 147.5,103.6 153.4,97.7 155.9,97.7 v1(156,97.8)
CURRENT_SENSOR2: C101_AMP2.2 R24_AMP2.2 R53_AMP2.1 R61_AMP2.1 R62_AMP2.1 R63_AMP2.1 X_SENS2.2 | length 28.9
  Component Side w0.5: R53_AMP2.1@172.094,97.841 R61_AMP2.1@175.094,97.841 177.094,97.841 ; R24_AMP2.2@175.044,92.216 C101_AMP2.2@177.144,92.216 177.094,92.266 177.094,97.841 ; X_SENS2.2@178.08,108.62 X_SENS2.2@178.08,101 178.08,98.855 R62_AMP2.1@179.094,97.841 ; R63_AMP2.1@182.094,97.841 R62_AMP2.1@179.094,97.841 ; 177.094,97.841 R62_AMP2.1@179.094,97.841
CURRENT_SENSOR3: C101_AMP3.2 R24_AMP3.2 R53_AMP3.1 R61_AMP3.1 R62_AMP3.1 R63_AMP3.1 X_SENS3.2 | length 103
  Component Side w0.5: R53_AMP3.1@192.994,97.841 R61_AMP3.1@195.994,97.841 v1(197.994,97.841) ; R24_AMP3.2@195.944,92.216 C101_AMP3.2@198.044,92.216 197.994,92.266 v1(197.994,97.841) ; R63_AMP3.1@202.994,97.841 R62_AMP3.1@199.994,97.841 v1(197.994,97.841)
  Solder Side w0.5: v1(197.994,97.841) 200.953,100.8 252.8,100.8 256.2,97.4 268.4,97.4 X_SENS3.2@271.68,100.68 X_SENS3.2@271.68,108.3